# Altium PCB Main.PcbDoc (continued)
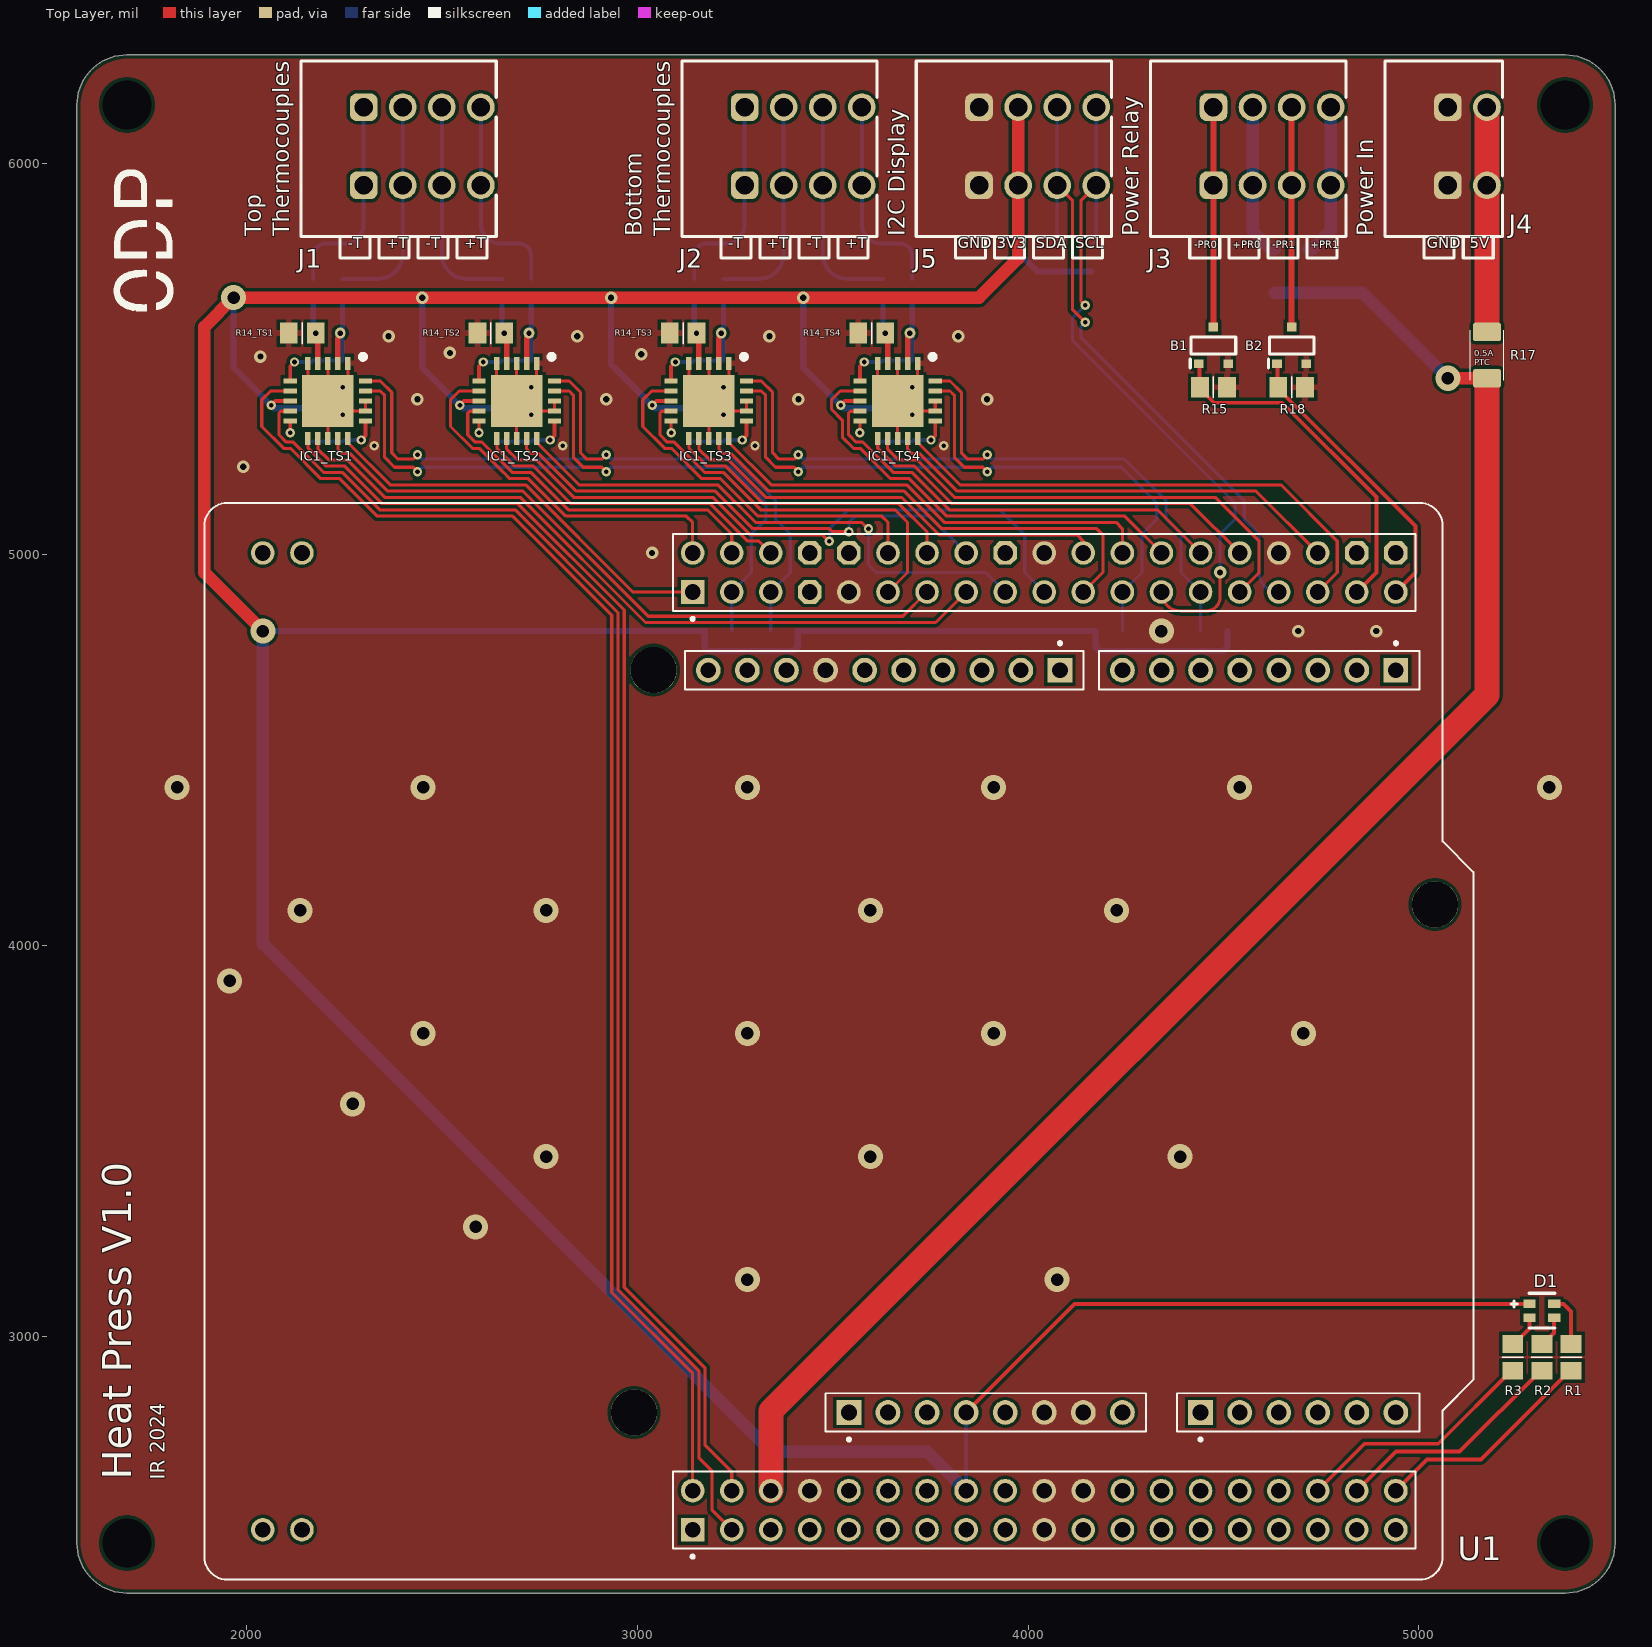
[diagram p0: Top Layer view]
## Footprints (in the part's own frame and the unit in brackets; to place one, negate y for a bottom-side part, rotate by r counter-clockwise, add the part's x,y. Pads: shape width x height; smd on the part's side, far side on the other; paste and mask are expansions set on the pad)
691403900002B [mm] "2,54mm - Spring clamp/Screwless - Vertical wire entry - 02p"
  rrect50% 1.8x1.8 hole 1.2: 1(0.27,-2.38) 1(0.27,2.7)
  round 1.8 hole 1.2: 2(2.81,-2.38) 2(2.81,2.7)
  silkscreen extent -3.81,-7.1 3.81,5.7, body extent -3.81,-7.1 3.81,5.7, height 13.65
691403900004B [mm] "2,54mm - Spring clamp/Screwless - Vertical wire entry - 04p"
  rrect50% 1.8x1.8 hole 1.2: 1(-2.27,-2.38) 1(-2.27,2.7)
  round 1.8 hole 1.2: 2(0.27,-2.38) 2(0.27,2.7) 3(2.81,-2.38) 3(2.81,2.7) 4(5.35,-2.38) 4(5.35,2.7)
  silkscreen extent -6.35,-7.1 6.35,5.7, body extent -6.35,-7.1 6.35,5.7, height 13.65
"CAP 0805_2012" [mm] "Chip Capacitor, 2-Leads, Body 2.00x1.20mm, IPC Medium Density"
  rect 1.4x1.35 smd: 1(-1,0) 2(1,0)
  silkscreen extent 0,-0.7 0,0.7, body extent -1,-0.64 1,0.64, height 1.26
FP-EAST1616RGBB4-MFG [mm]
  rect 0.8x0.55 smd paste+0 mask+0: 1(-0.8,-0.45) 2(-0.8,0.45) 3(0.8,0.45) 4(0.8,-0.45)
  silkscreen extent -0.86,-1.14 2,1.12, body extent -1.3,-0.95 1.3,0.95, height 0.25
QFN65P500X500X100-21N-D [mm]
  rect 0.85x0.35 smd: 1(-2.45,1.3) 2(-2.45,0.65) 3(-2.45,0) 4(-2.45,-0.65) 5(-2.45,-1.3) 11(2.45,-1.3) 12(2.45,-0.65) 13(2.45,0) 14(2.45,0.65) 15(2.45,1.3)
  rect 0.35x0.85 smd: 6(-1.3,-2.45) 7(-0.65,-2.45) 8(0,-2.45) 9(0.65,-2.45) 10(1.3,-2.45) 16(1.3,2.45) 17(0.65,2.45) 18(0,2.45) 19(-0.65,2.45) 20(-1.3,2.45)
  rect 3.35x3.35 smd: 21(0,0)
  silkscreen extent -3.04,2.11 -2.71,2.44, body extent -2.55,-2.55 2.55,2.55, height 1
"RES 0805_2012" [mm] "Chip Resistor, 2-Leads, Body 2.00x1.25mm, IPC Medium Density"
  rect 1.15x1.35 smd: 1(-0.875,0) 2(0.875,0)
  silkscreen extent 0,-0.67 0,0.67, body extent -1,-0.62 1,0.63, height 0.6
"RES 1206_3216" [mm] "Chip Resistor, 2-Leads, Body 3.13x1.55mm, IPC Medium Density"
  rect 1.2x1.65 smd: 1(-1.4,0) 2(1.4,0)
  silkscreen extent 0,-0.82 0,0.82, body extent -1.6,-0.8 1.6,0.8, height 0.8
RESC3216X125N [mm]
  rrect25% 1.2x1.82 smd: 1(-1.505,0) 2(1.505,0)
  silkscreen extent -1.63,-1.09 1.63,1.09, body extent -1.63,-0.82 1.63,0.82, height 0.85
SOTFL95P240X88-3N [mm]
  rect 0.575x0.62 smd: 1(-1.188,0.95) 2(-1.188,-0.95) 3(1.188,0)
  silkscreen extent -1.48,-1.45 0.55,1.51, body extent -1.2,-1.45 1.2,1.45, height 0.88
ST_NUCLEO-F401RE [mm]
  rect 1.605x1.605 hole 1.02: CN5_1(24.13,-14.37) CN6_1(-24.13,-0.65) CN8_1(-24.13,-23.51) CN9_1(24.13,-36.21)
  round 1.605 hole 1.02: CN5_2(24.13,-11.83) CN5_3(24.13,-9.29) CN5_4(24.13,-6.75) CN5_5(24.13,-4.21) CN5_6(24.13,-1.67) CN5_7(24.13,0.87) CN5_8(24.13,3.41) CN5_9(24.13,5.95) CN5_10(24.13,8.49) CN6_2(-24.13,-3.19) CN6_3(-24.13,-5.73) CN6_4(-24.13,-8.27) CN6_5(-24.13,-10.81) CN6_6(-24.13,-13.35) CN6_7(-24.13,-15.89) CN6_8(-24.13,-18.43) CN8_2(-24.13,-26.05) CN8_3(-24.13,-28.59) CN8_4(-24.13,-31.13) CN8_5(-24.13,-33.67) CN8_6(-24.13,-36.21) CN9_2(24.13,-33.67) CN9_3(24.13,-31.13) CN9_4(24.13,-28.59) CN9_5(24.13,-26.05) CN9_6(24.13,-23.51) CN9_7(24.13,-20.97) CN9_8(24.13,-18.43)
  rect 1.53x1.53 hole 1.02: CN7_1(-31.75,9.51) CN10_1(29.21,9.51)
  round 1.53 hole 1.02: CN7_2(-31.75,34.91) CN7_2(-31.75,37.45) CN7_2(-29.21,9.51) CN7_2(31.75,34.91) CN7_2(31.75,37.45) CN7_3(-31.75,6.97) CN7_4(-29.21,6.97) CN7_5(-31.75,4.43) CN7_6(-29.21,4.43) CN7_7(-31.75,1.89) CN7_8(-29.21,1.89) CN7_9(-31.75,-0.65) CN7_10(-29.21,-0.65) CN7_11(-31.75,-3.19) CN7_12(-29.21,-3.19) CN7_13(-31.75,-5.73) CN7_14(-29.21,-5.73) CN7_15(-31.75,-8.27) CN7_16(-29.21,-8.27) CN7_17(-31.75,-10.81) CN7_18(-29.21,-10.81) CN7_19(-31.75,-13.35) CN7_20(-29.21,-13.35) CN7_21(-31.75,-15.89) CN7_22(-29.21,-15.89) CN7_23(-31.75,-18.43) CN7_24(-29.21,-18.43) CN7_25(-31.75,-20.97) CN7_26(-29.21,-20.97) CN7_27(-31.75,-23.51) CN7_28(-29.21,-23.51) CN7_29(-31.75,-26.05) CN7_30(-29.21,-26.05) CN7_31(-31.75,-28.59) CN7_32(-29.21,-28.59) CN7_33(-31.75,-31.13) CN7_34(-29.21,-31.13) CN7_35(-31.75,-33.67) CN7_36(-29.21,-33.67) CN7_37(-31.75,-36.21) CN7_38(-29.21,-36.21) CN10_2(31.75,9.51) CN10_3(29.21,6.97) CN10_4(31.75,6.97) CN10_5(29.21,4.43) CN10_6(31.75,4.43) CN10_9(29.21,-0.65) CN10_11(29.21,-3.19) CN10_12(31.75,-3.19) CN10_13(29.21,-5.73) CN10_14(31.75,-5.73) CN10_15(29.21,-8.27) CN10_16(31.75,-8.27) CN10_17(29.21,-10.81) CN10_19(29.21,-13.35) CN10_20(31.75,-13.35) CN10_21(29.21,-15.89) CN10_22(31.75,-15.89) CN10_23(29.21,-18.43) CN10_24(31.75,-18.43) CN10_25(29.21,-20.97) CN10_26(31.75,-20.97) CN10_27(29.21,-23.51) CN10_28(31.75,-23.51) CN10_29(29.21,-26.05) CN10_30(31.75,-26.05) CN10_31(29.21,-28.59) CN10_32(31.75,-28.59) CN10_33(29.21,-31.13) CN10_34(31.75,-31.13) CN10_35(29.21,-33.67) CN10_37(29.21,-36.21)
  oct 1.53x1.53 hole 1.02: CN10_7(29.21,1.89) CN10_8(31.75,1.89) CN10_10(31.75,-0.65) CN10_18(31.75,-10.81) CN10_36(31.75,-33.67) CN10_38(31.75,-36.21)
  round 3 hole 3 unplated: ""(-24.13,13.32) ""(8.89,-38.75) ""(24.13,12.05)
  silkscreen extent -35,-41.25 35,41.25, body extent -35,-41.25 35,42.7, height 17.36

## Part data
B1 B2: library part CMP-752-000002-2, "Trans MOSFET N-CH Si 60V 0.65A Automotive 3-Pin SOT-23F T/R", Design Item ID=SSM3K357R,LF, Source=SSM3K357R,LF.SchLib
C1_TS1 C1_TS2 C1_TS3 C1_TS4 C2_TS1 C2_TS2 C2_TS3 C2_TS4: library part CMP-001-00134-5, "Ceramic Capacitor, Multilayer, Ceramic, 50V, 10% +Tol, 10% -Tol, X7R, 15% TC, 0.1uF, Surface Mount, 0805", Capacitor Type=Ceramic, Case/Package=0805, Max Operating Temperature=125°C, Min Operating Temperature=-55°C, Package Shape=Rectangular, Package Style=SMTMeter, Rated DC Voltage (URdc)=50V, Temperature Characteristics Code=X7R, Tolerance  (fill in as +-)=10%, Dielectric Material=Ceramic, Height=0.95mm, JESD-609 Code=e3, Length=2mm, Mounting Technology="Surface Mount", Multilayer=Yes, Packaging="Tape and Reel", Pins=2, Reach SVHC Compliant=Yes, RoHS Compliant=Yes, Terminal Finish=Nickel, Termination=Wraparound, Tolerance (fill in as +-)=10%, Width=1.25mm
D1: library part CMP-007-00050-1, "Triple Color LED", RoHS Compliant=Yes
IC1_TS1 IC1_TS2 IC1_TS3 IC1_TS4: library part CMP-031-00000-3, "Fully integrated thermocouple Electromotive Force (EMF) to degrees Celsius converter IC with integrated thermocouple open-circuit and short-circuit detection and cold-junction compensation", Manufacturer_Name=Microchip, Mouser Part Number=579-MCP96RL01T-E/MX, altium.hash=88D551B438FC0B2CC4B3D3B3F597121D, Datasheet Link=http://ww1.microchip.com/downloads/en/DeviceDoc/MCP960X-L0X-RL0X-Data-Sheet-20005426F.pdf, Design Item ID=MCP96RL01T-E_MX, Height=1mm, Manufacturer_Part_Number=MCP96RL01T-E/MX, Mouser Price/Stock=https://www.mouser.com/Search/Refine.aspx?Keyword=579-MCP96RL01T-E%2FMX, Source=SamacSys.SchLib
J1 J2 J3 J5: library part CMP-752-000001-2, "Barrier Strip Terminal Block", Manufacturer Series=4039B, Design Item ID=CMP-002-00140-1, Reach SVHC Compliant=Yes, RoHS Compliant=Yes, Source=HeatPress.SCHLIB, Terminal and Terminal Block Type="BARRIER STRIP TERMINAL BLOCK"
J4: library part CMP-752-000000-2, "Barrier Strip Terminal Block", Manufacturer Series=4039B, Design Item ID=CMP-002-00139-1, Reach SVHC Compliant=Yes, RoHS Compliant=Yes, Source=HeatPress.SCHLIB, Terminal and Terminal Block Type="BARRIER STRIP TERMINAL BLOCK"
R1: library part CMP-009-00014-1, "Fixed Resistor, Metal Glaze/thick Film, 0.125W, 300ohm, 150V, 1% +/-Tol, 100ppm/Cel, Surface Mount, 0805", Case/Package=0805, Max Operating Temperature=155°C, Min Operating Temperature=-55°C, Package Height=0.6mm, Package Length=2mm, Package Shape=Rectangular, Package Style=SMTMeter, Package Width=1.25mm, Power=125mW, Rated Temperature=70°C, Resistor Type="FIXED RESISTOR", Temperature Coefficient=100ppm/°C, Tolerance=1%, Working Voltage=150V, Construction=Rectangular, JESD-609 Code=e3, Mounting Technology="Surface Mount", Packaging="Tape and Reel", Pins=2, Reach SVHC Compliant=Yes, Reference Standard=AEC-Q200, RoHS Compliant=Yes, Technology="METAL GLAZE/THICK FILM", Terminal Finish=Nickel, Termination=Wraparound
R2 R3 R12_TS1 R12_TS2 R12_TS3 R12_TS4 R13_TS1 R13_TS2 R13_TS3 R13_TS4: library part CMP-009-00015-2, "Fixed Resistor, Metal Glaze/thick Film, 0.125W, 100ohm, 150V, 1% +/-Tol, 200ppm/Cel, Surface Mount, 0805", Case/Package=0805, Manufacturer="TE Connectivity", Manufacturer Series=CRG, Max Operating Temperature=125°C, Min Operating Temperature=-55°C, Package Shape=Rectangular, Power=125mW, Rated Temperature=70°C, Resistor Type="FIXED RESISTOR", Temperature Coefficient=200ppm/°C, Tolerance=1%, Working Voltage=150V, Additional Feature="LASER TRIMMABLE", Availability=Unavailable, Component Type=Resistors, Design Item ID=CRG0805F100R, JESD-609 Code=e3, Manufacturer Part Number=CRG0805F100R, MF="{'manufacturer': u'TE Connectivity'}", Mounting Technology="Surface Mount", MP=CRG0805F100R, Packaging="Tape and Reel", Pins=2, Price=None, RoHS Compliant=Yes, Source=CRG0805F100R.SchLib, Technology="METAL GLAZE/THICK FILM", Terminal Finish=Tin, Termination=Wraparound
R4 R5 R6 R7 R8 R9: library part CMP-009-00018-1, "Fixed Resistor, Metal Glaze/thick Film, 0.125W, 4990ohm, 150V, 1% +/-Tol, 100ppm/Cel, Surface Mount, 0805", Case/Package=0805, Max Operating Temperature=155°C, Min Operating Temperature=-55°C, Package Height=0.6mm, Package Length=2mm, Package Shape=Rectangular, Package Style=SMTMeter, Package Width=1.25mm, Power=125mW, Rated Temperature=70°C, Resistor Type="FIXED RESISTOR", Temperature Coefficient=100ppm/°C, Tolerance=1%, Working Voltage=150V, Construction=Rectangular, JESD-609 Code=e3, Mounting Technology="Surface Mount", Packaging="Tape and Reel", Pins=2, Reach SVHC Compliant=Yes, Reference Standard=AEC-Q200, RoHS Compliant=Yes, Technology="METAL GLAZE/THICK FILM", Terminal Finish=Nickel, Termination=Wraparound
R10_TS1 R10_TS2 R10_TS3 R10_TS4: library part CMP-009-00019-1, "Fixed Resistor, Metal Glaze/thick Film, 0.125W, 2490000ohm, 150V, 1% +/-Tol, 100ppm/Cel, Surface Mount, 0805", Case/Package=0805, Max Operating Temperature=155°C, Min Operating Temperature=-55°C, Package Height=0.45mm, Package Length=2mm, Package Shape=Rectangular, Package Style=SMTMeter, Package Width=1.25mm, Power=125mW, Rated Temperature=70°C, Resistor Type="FIXED RESISTOR", Temperature Coefficient=100ppm/°C, Tolerance=1%, Working Voltage=150V, Construction=Chip, JESD-609 Code=e3, Mounting Technology="Surface Mount", Packaging="Tape and Reel", Pins=2, Reach SVHC Compliant=Yes, Reference Standard=AEC-Q200, RoHS Compliant=Yes, Technology="METAL GLAZE/THICK FILM", Terminal Finish=Nickel, Termination=Wraparound
R11_TS1 R11_TS2 R11_TS3 R11_TS4: library part CMP-009-00017-3, "Fixed Resistor, Metal Glaze/thick Film, 0.125W, 2000000ohm, 150V, 1% +/-Tol, 100ppm/Cel, Surface Mount, 0805", Case/Package=0805, Device Package="0805 (2012 Metric)", Manufacturer="Vishay Dale", Max Operating Temperature=155°C, Min Operating Temperature=-55°C, Operating Temperature="-55°C ~ 155°C", Package Height=0.5mm, Package Length=2mm, Package Style=SMTMeter, Package Width=1.25mm, Power=125mW, Power (Watts)="0.125W, 1/8W", Resistor Type="FIXED RESISTOR", Temperature Coefficient=-100100ppm/°C, Tolerance=1%, Working Voltage=150V, Component Type=Resistors, ComponentLink1Description=Datasheet, ComponentLink1URL=http://www.vishay.com/docs/28773/crcwce3.pdf, ComponentLink2Description="DigiKey Link", ComponentLink2URL=https://www.digikey.com/en/products/detail/vishay-dale/CRCW08052M00FKECC/7928551, Composition="Thick Film", Construction=Chip, Design Item ID=CMP-309-001138-4, Height - Seated (Max)="0.024\" (0.60mm)", JESD-609 Code=e3, LastUpdated="9/18/2022 12:42:15 PM", Lifecycle Status=Active, Manufacturer Part Number=CRCW08052M00FKECC, Minimum Order=1, Number of Terminations=2, Package / Case="0805 (2012 Metric)", Packaging="Tape and Reel", Part Number=CRCW08052M00FKECC, Part Status=Active, PartId=30004, Pins=2, Price=0.01, Reach SVHC Compliant=Yes, RoHS Compliant=Yes, Series=CRCW-C, Size / Dimension="0.079\" L x 0.049\" W (2.00mm x 1.25mm)", Source=HeatPress.SCHLIB, Supplier Device Package=0805, Technology="METAL GLAZE/THICK FILM", Terminal Finish=Nickel
R14_TS1 R14_TS2 R14_TS3 R14_TS4: library part CMP-009-00021-1, "Fixed Resistor, Metal Glaze/thick Film, 0.125W, 487000ohm, 150V, 1% +/-Tol, 100ppm/Cel, Surface Mount, 0805", Case/Package=0805, Max Operating Temperature=155°C, Min Operating Temperature=-55°C, Package Height=0.6mm, Package Length=2mm, Package Shape=Rectangular, Package Style=SMTMeter, Package Width=1.25mm, Power=125mW, Rated Temperature=70°C, Resistor Type="FIXED RESISTOR", Temperature Coefficient=100ppm/°C, Tolerance=1%, Working Voltage=150V, Construction=Rectangular, JESD-609 Code=e3, Mounting Technology="Surface Mount", Packaging="Tape and Reel", Pins=2, Reach SVHC Compliant=Yes, Reference Standard=AEC-Q200, RoHS Compliant=Yes, Technology="METAL GLAZE/THICK FILM", Terminal Finish=Nickel, Termination=Wraparound
R15 R18 RB1_TS1 RB1_TS2 RB1_TS3 RB1_TS4: library part CMP-009-00022-1, "Fixed Resistor, Metal Glaze/thick Film, 0.125W, 10000ohm, 150V, 1% +/-Tol, 100ppm/Cel, Surface Mount, 0805", Case/Package=0805, Max Operating Temperature=155°C, Min Operating Temperature=-55°C, Package Height=0.5mm, Package Length=2mm, Package Style=SMTMeter, Package Width=1.25mm, Power=125mW, Resistor Type="FIXED RESISTOR", Temperature Coefficient=-100100ppm/°C, Tolerance=1%, Working Voltage=150V, Construction=Chip, JESD-609 Code=e3, Packaging="Tape and Reel", Pins=2, Reach SVHC Compliant=Yes, RoHS Compliant=Yes, Technology="METAL GLAZE/THICK FILM", Terminal Finish=Nickel
R16 R19: library part CMP-009-00023-1, "Res Thin Film 1206 200 Ohm 0.1% 1/4W ±25ppm/°C Molded SMD SMD Punched Carrier T/R", Case/Package=1206, Max Operating Temperature=155°C, Min Operating Temperature=-55°C, Package Height=0.6mm, Package Length=3.2mm, Package Style=SMTMeter, Package Width=1.6mm, Power=250mW, Rated Temperature=85°C, Resistor Type="FIXED RESISTOR", Temperature Coefficient=25ppm/°C, Tolerance=0.1%, Working Voltage=150V, Construction=Rectangular, JESD-609 Code=e3, Mounting Technology="Surface Mount", Packaging="Tape and Reel", Pins=2, Reach SVHC Compliant=Yes, Reference Standard=AEC-Q200, RoHS Compliant=Yes, Technology="THIN FILM", Terminal Finish=Nickel, Termination=Wraparound
R17: library part CMP-009-00016-3, "PTC Resettable Fuse, 24V, 0.15ohm, Surface Mount", Case/Package=None, Current Rating=500mA, Max Operating Temperature=85°C, Min Operating Temperature=-40°C, Package Height=1.2mm, Package Length=3.5mm, Package Width=1.8mm, Resistor Type="PTC THERMISTOR", Working Voltage=24V, Availability=Unavailable, Design Item ID=0ZCJ0050AF2E, JESD-609 Code=e3, MF="{'manufacturer': u'Bel Fuse'}", MP=0ZCJ0050AF2E, Price=None, Reach SVHC Compliant=Yes, Reference Standard=UL, RoHS Compliant=Yes, Source=0ZCJ0050AF2E.SchLib, Terminal Finish=Tin
RA1_TS1 RA1_TS2 RA1_TS3 RA1_TS4: library part CMP-009-00025-2, "Fixed Resistor, Metal Glaze/thick Film, 0.125W, 2200ohm, 150V, 1% +/-Tol, 100ppm/Cel, Surface Mount, 0805", Case/Package=0805, Max Operating Temperature=155°C, Min Operating Temperature=-55°C, Package Height=0.5mm, Package Length=2mm, Package Shape=Rectangular, Package Style=SMTMeter, Package Width=1.25mm, Power=125mW, Rated Temperature=70°C, Resistor Type="FIXED RESISTOR", Temperature Coefficient=-100100ppm/°C, Tolerance=1%, Working Voltage=150V, Construction=Chip, JESD-609 Code=e3, Mounting Technology="Surface Mount", Packaging="Tape and Reel", Pins=2, Reach SVHC Compliant=Yes, Reference Standard=AEC-Q200, RoHS Compliant=Yes, Technology="METAL GLAZE/THICK FILM", Terminal Finish=Nickel, Termination=Wraparound
U1: library part CMP-752-000003-2, "STM32F401RE Embedded Nucleo STM32F4 MCU 32-Bit ARM Cortex-M3 Evaluation Board", Design Item ID=NUCLEO-F401RE, MF=STMicroelectronics, MP=NUCLEO-F401RE, Source=NUCLEO-F401RE.SchLib

## Free pads (board coordinates)
  round 0 hole 125.98 unplated: 14(1693.62,2470.12) 14(1693.62,6151.13) 14(5374.63,2470.12) 14(5374.63,6151.13)

## Via types
v1: diameter 24, hole 12, Top Layer to Bottom Layer, 41 vias
v2: diameter 64, hole 32, Top Layer to Bottom Layer, 26 vias
v3: diameter 32, hole 16, Top Layer to Bottom Layer, 19 vias
v4: diameter 27.56, hole 13.78, Top Layer to Bottom Layer, 8 vias

## Nets (pads, with @x,y where several pads share a name; then routed paths per layer and width w, separated by ;. In a path a pad name is that pad's centre, name@x,y a point inside that pad or via, vN(x,y) a via of type N, cw(c..) or ccw(c..) an arc to the next point about the centre after c; other vN are vias at no path point)
+3V3: C2_TS1.1 C2_TS2.1 C2_TS3.1 C2_TS4.1 D1.4 IC1_TS1.8 IC1_TS2.8 IC1_TS3.8 IC1_TS4.8 J5.2 R4.1 R5.1 R6.1 R7.1 R8.1 R9.1 R11_TS1.2 R11_TS2.2 R11_TS3.2 R11_TS4.2 RB1_TS1.1 RB1_TS2.1 RB1_TS3.1 RB1_TS4.1 U1.CN6_4 U1.CN7_16 | length 13694.4
  Top Layer w10: v1(2062.91,5382.36) 2073.8,5393.25 IC1_TS1.8 ; v1(2545.98,5382.36) 2556.87,5393.25 IC1_TS2.8 ; v1(3037.91,5382.36) 3048.8,5393.25 IC1_TS3.8 ; v1(3520.98,5382.36) 3531.87,5393.25 IC1_TS4.8 ; U1.CN6_4 4119.46,3082.3 D1.4
  Top Layer w32: v2(2041.58,4804.42) 1891.97,4954.03 1891.97,5583.03 v2(1966.56,5657.62) 2019.97,5657.62 ; 2166.56,5657.62 2019.97,5657.62 ; J5.2@3974.63,6145.26 3974.63,5945.26 3974.63,5757.62 3874.63,5657.62 v3(3424.63,5657.62) v3(2932.7,5657.62) v3(2449.63,5657.62) 2019.97,5657.62
  Bottom Layer w10: U1.CN7_16 U1.CN6_4
  Bottom Layer w16: v2(1966.56,5657.62) 1966.56,5478.71 2043.35,5401.92 2043.35,5399.95 2060.94,5382.36 v1(2062.91,5382.36) 2070.72,5374.55 2160.04,5374.55 2170.38,5364.21 R11_TS1.2 ; v2(2041.58,4804.42) R9.1 3172.68,4763.01 3182.06,4753.63 3401.11,4753.63 3410.48,4763.01 R8.1 R7.1 4172.68,4763.01 4182.06,4753.63 4501.11,4753.63 4510.48,4763.01 R6.1 ; v3(2449.63,5657.62) 2449.63,5478.71 2526.42,5401.92 2526.42,5399.95 2544.01,5382.36 v1(2545.98,5382.36) 2553.79,5374.55 2643.11,5374.55 2653.45,5364.21 R11_TS2.2 ; v3(2932.7,5657.62) 2932.7,5487.56 3018.35,5401.92 3018.35,5399.95 3035.94,5382.36 v1(3037.91,5382.36) 3045.72,5374.55 3135.04,5374.55 3145.38,5364.21 R11_TS3.2 ; v3(3424.63,5657.62) 3424.63,5478.71 3501.42,5401.92 3501.42,5399.95 3519.01,5382.36 v1(3520.98,5382.36) 3528.79,5374.55 3618.11,5374.55 3628.45,5364.21 R11_TS4.2 ; J5.2@3974.63,5945.26 3974.63,5773.55 4023.2,5724.99 R4.1 R5.1
  Bottom Layer w32: v2(2041.58,4804.42) 2041.58,4004.42 3341.58,2704.42 3741.58,2704.42 U1.CN7_16
+5: R16.1 R17.1 R19.1 U1.CN7_6 | length 4216.9
  Top Layer w32: v2(5074.81,5451.49) R17.1
  Top Layer w64: U1.CN7_6 3341.58,2808.01 5174.63,4641.06 5174.63,5427.87
  Bottom Layer w32: R19.1 R16.1 4855.44,5670.85 v2(5074.81,5451.49)
+5V_UF: J4.2 R17.2 | length 551.6
  Top Layer w64: 5174.63,5593.62 5174.63,5945.26 J4.2@5174.63,6145.26
+PR0: J3.2 R19.2 | length 392.8
  Bottom Layer w32: J3.2@4574.63,6145.26 4574.63,5945.26 4574.63,5828.93 4622.47,5781.09 R19.2
+PR1: J3.4 R16.2 | length 392.8
  Bottom Layer w32: R16.2 4726.8,5781.09 4774.63,5828.93 4774.63,5945.26 J3.4@4774.63,6145.26
+T_1: J1.2 R12_TS1.1 | length 566.3
  Bottom Layer w10: R12_TS1.1 2336.07,5705.82 ccw(c2336.07,5769.38) 2399.63,5769.38 2399.63,5945.26 J1.2@2399.63,6145.26
+T_2: J1.4 R12_TS2.1 | length 533.4
  Bottom Layer w10: J1.4@2599.63,6145.26 2599.63,5945.26 2599.63,5845.83 ccw(c2649.06,5845.83) 2649.06,5796.4 2696.57,5796.4 cw(c2696.57,5764.4) 2728.57,5764.4 R12_TS2.1
+T_3: J2.2 R12_TS3.1 | length 566.3
  Bottom Layer w10: R12_TS3.1 3311.07,5705.82 ccw(c3311.07,5769.38) 3374.63,5769.38 3374.63,5945.26 J2.2@3374.63,6145.26
+T_4: J2.4 R12_TS4.1 | length 533.4
  Bottom Layer w10: J2.4@3574.63,6145.26 3574.63,5945.26 3574.63,5845.83 ccw(c3624.06,5845.83) 3624.06,5796.4 3671.57,5796.4 cw(c3671.57,5764.4) 3703.57,5764.4 R12_TS4.1
+VIN_POST_TS1: C1_TS1.2 IC1_TS1.2 IC1_TS1.6 R10_TS1.2 R11_TS1.1 R12_TS1.2 | length 401
  Top Layer w10: IC1_TS1.6 2111.64,5482.27 v1(2122.53,5493.16)
  Top Layer w13.78: IC1_TS1.2 2233.69,5552.79 cw(c2253.85,5552.79) v4(2239.59,5567.04)
  Bottom Layer w10: v1(2122.53,5493.16) 2166.38,5493.16 R11_TS1.1 R10_TS1.2 2245.81,5560.82 v4(2239.59,5567.04)
  Bottom Layer w13.78: v4(2239.59,5567.04) ccw(c2225.33,5581.3) 2245.5,5581.3 R12_TS1.2
+VIN_POST_TS2: C1_TS2.2 IC1_TS2.2 IC1_TS2.6 R10_TS2.2 R11_TS2.1 R12_TS2.2 | length 401
  Top Layer w10: IC1_TS2.6 2594.71,5482.27 v1(2605.6,5493.16)
  Top Layer w13.78: IC1_TS2.2 2716.76,5552.79 cw(c2736.92,5552.79) v4(2722.66,5567.04)
  Bottom Layer w10: v1(2605.6,5493.16) 2649.45,5493.16 R11_TS2.1 R10_TS2.2 2728.88,5560.82 v4(2722.66,5567.04)
  Bottom Layer w13.78: v4(2722.66,5567.04) ccw(c2708.41,5581.3) 2728.57,5581.3 R12_TS2.2
+VIN_POST_TS3: C1_TS3.2 IC1_TS3.2 IC1_TS3.6 R10_TS3.2 R11_TS3.1 R12_TS3.2 | length 401
  Top Layer w10: IC1_TS3.6 3086.64,5482.27 v1(3097.53,5493.16)
  Top Layer w13.78: IC1_TS3.2 3208.69,5552.79 cw(c3228.85,5552.79) v4(3214.59,5567.04)
  Bottom Layer w10: v1(3097.53,5493.16) 3141.38,5493.16 R11_TS3.1 R10_TS3.2 3220.81,5560.82 v4(3214.59,5567.04)
  Bottom Layer w13.78: v4(3214.59,5567.04) ccw(c3200.33,5581.3) 3220.5,5581.3 R12_TS3.2
+VIN_POST_TS4: C1_TS4.2 IC1_TS4.2 IC1_TS4.6 R10_TS4.2 R11_TS4.1 R12_TS4.2 | length 401
  Top Layer w10: IC1_TS4.6 3569.71,5482.27 v1(3580.6,5493.16)
  Top Layer w13.78: IC1_TS4.2 3691.76,5552.79 cw(c3711.92,5552.79) v4(3697.66,5567.04)
  Bottom Layer w10: v1(3580.6,5493.16) 3624.45,5493.16 R11_TS4.1 R10_TS4.2 3703.88,5560.82 v4(3697.66,5567.04)
  Bottom Layer w13.78: v4(3697.66,5567.04) ccw(c3683.41,5581.3) 3703.57,5581.3 R12_TS4.2
-PR0: B1.3 J3.1 | length 563
  Top Layer w16: B1.3 4474.63,5945.26 J3.1@4474.63,6145.26
-PR1: B2.3 J3.3 | length 563
  Top Layer w16: B2.3 4674.63,5945.26 J3.3@4674.63,6145.26
-T_1: J1.1 R13_TS1.1 | length 533.4
  Bottom Layer w10: R13_TS1.1 2170.69,5764.4 cw(c2202.69,5764.4) 2202.69,5796.4 2250.2,5796.4 ccw(c2250.2,5845.83) 2299.63,5845.83 2299.63,5945.26 J1.1@2299.63,6145.26
-T_2: J1.3 R13_TS2.1 | length 566.3
  Bottom Layer w10: J1.3@2499.63,6145.26 2499.63,5945.26 2499.63,5769.38 ccw(c2563.19,5769.38) 2563.19,5705.82 R13_TS2.1
-T_3: J2.1 R13_TS3.1 | length 533.4
  Bottom Layer w10: R13_TS3.1 3145.69,5764.4 cw(c3177.69,5764.4) 3177.69,5796.4 3225.2,5796.4 ccw(c3225.2,5845.83) 3274.63,5845.83 3274.63,5945.26 J2.1@3274.63,6145.26
-T_4: J2.3 R13_TS4.1 | length 566.3
  Bottom Layer w10: J2.3@3474.63,6145.26 3474.63,5945.26 3474.63,5769.38 ccw(c3538.19,5769.38) 3538.19,5705.82 R13_TS4.1
-VIN_POST_TS1: C1_TS1.1 IC1_TS1.4 R13_TS1.2 R14_TS1.2 | length 150.4
  Top Layer w13.78: v4(2176.6,5567.04) cw(c2162.34,5552.79) 2182.51,5552.79 IC1_TS1.4
  Bottom Layer w13.78: R13_TS1.2 2170.69,5581.3 ccw(c2190.86,5581.3) v4(2176.6,5567.04)
-VIN_POST_TS2: C1_TS2.1 IC1_TS2.4 R13_TS2.2 R14_TS2.2 | length 150.4
  Top Layer w13.78: v4(2659.67,5567.04) cw(c2645.41,5552.79) 2665.58,5552.79 IC1_TS2.4
  Bottom Layer w13.78: R13_TS2.2 2653.77,5581.3 ccw(c2673.93,5581.3) v4(2659.67,5567.04)
-VIN_POST_TS3: C1_TS3.1 IC1_TS3.4 R13_TS3.2 R14_TS3.2 | length 150.4
  Top Layer w13.78: v4(3151.6,5567.04) cw(c3137.34,5552.79) 3157.51,5552.79 IC1_TS3.4
  Bottom Layer w13.78: R13_TS3.2 3145.69,5581.3 ccw(c3165.86,5581.3) v4(3151.6,5567.04)
-VIN_POST_TS4: C1_TS4.1 IC1_TS4.4 R13_TS4.2 R14_TS4.2 | length 150.4
  Top Layer w13.78: v4(3634.67,5567.04) cw(c3620.41,5552.79) 3640.58,5552.79 IC1_TS4.4
  Bottom Layer w13.78: R13_TS4.2 3628.77,5581.3 ccw(c3648.93,5581.3) v4(3634.67,5567.04)
ADDR_TS1: IC1_TS1.16 RA1_TS1.2 RB1_TS1.2 | length 178.2
  Top Layer w10: v1(2293.66,5293.34) 2304.55,5304.23 IC1_TS1.16
  Bottom Layer w10: RB1_TS1.2 RA1_TS1.2 2249.81,5293.34 v1(2293.66,5293.34)
ADDR_TS2: IC1_TS2.16 RA1_TS2.2 RB1_TS2.2 | length 178.2
  Top Layer w10: v1(2776.74,5293.34) 2787.62,5304.23 IC1_TS2.16
  Bottom Layer w10: RB1_TS2.2 RA1_TS2.2 2732.89,5293.34 v1(2776.74,5293.34)
ADDR_TS3: IC1_TS3.16 RA1_TS3.2 RB1_TS3.2 | length 178.2
  Top Layer w10: v1(3268.66,5293.34) 3279.55,5304.23 IC1_TS3.16
  Bottom Layer w10: RB1_TS3.2 RA1_TS3.2 3224.81,5293.34 v1(3268.66,5293.34)
ADDR_TS4: IC1_TS4.16 RA1_TS4.2 RB1_TS4.2 | length 178.2
  Top Layer w10: v1(3751.73,5293.34) 3762.62,5304.23 IC1_TS4.16
  Bottom Layer w10: RB1_TS4.2 RA1_TS4.2 3707.88,5293.34 v1(3751.73,5293.34)
"ALERT 1.ALERT 1": IC1_TS1.11 U1.CN7_4 | length 3372.8
  Top Layer w8: IC1_TS1.11 2157.35,5296.36 2157.35,5272.75 2203.56,5226.54 2251.21,5226.54 2347.21,5130.54 2694.21,5130.54 2966.48,4858.27 2966.48,3124.78 3173.58,2917.68 3173.58,2720.32 3241.58,2652.32 U1.CN7_4
"ALERT 1.ALERT 2": IC1_TS1.12 U1.CN10_15 | length 1901.9
  Top Layer w8: IC1_TS1.12 2182.51,5270.22 2210.18,5242.54 2257.83,5242.54 2353.83,5146.54 2700.83,5146.54 3021.07,4826.3 3763.46,4826.3 U1.CN10_15
"ALERT 1.ALERT 3": IC1_TS1.14 U1.CN10_13 | length 1737.4
  Top Layer w8: IC1_TS1.14 2233.69,5270.22 2245.36,5258.54 2265.06,5258.54 2361.06,5162.54 2707.46,5162.54 3027.7,4842.3 3679.46,4842.3 U1.CN10_13
"ALERT 1.ALERT 4": IC1_TS1.15 U1.CN10_1 | length 1050.6
  Top Layer w8: IC1_TS1.15 2259.28,5286.95 2367.69,5178.54 2714.09,5178.54 2988.21,4904.42 U1.CN10_1
"ALERT 1.ALERT OC": IC1_TS1.9 U1.CN7_3 | length 3610.4
  Top Layer w8: IC1_TS1.9 2111.09,5367.11 2087.59,5367.11 2082.91,5362.43 2082.91,5306.76 2101.7,5287.97 2119.5,5287.97 2196.93,5210.54 2244.58,5210.54 2340.58,5114.54 2687.58,5114.54 2950.48,4851.64 2950.48,3118.15 3157.58,2911.05 3157.58,2688.42 3191.58,2654.42 3191.58,2554.42 U1.CN7_3
"ALERT 1.ALERT SC": IC1_TS1.7 U1.CN7_2@3141.58,2604.42 | length 3572.2
  Top Layer w8: IC1_TS1.7 2061.55,5418.84 2038.91,5396.2 2038.91,5328.14 2095.07,5271.97 2112.5,5271.97 2189.93,5194.54 2237.95,5194.54 2333.95,5098.54 2680.95,5098.54 2934.48,4845.01 2934.48,3111.53 3141.58,2904.42 U1.CN7_2@3141.58,2604.42
"ALERT 2.ALERT 1": IC1_TS2.11 U1.CN10_6 | length 836.5
  Top Layer w8: IC1_TS2.11 2640.42,5296.36 2640.42,5272.75 2686.63,5226.54 2734.28,5226.54 2830.28,5130.54 3186.44,5130.54 3282.44,5034.54 3311.46,5034.54 U1.CN10_6
"ALERT 2.ALERT 2": IC1_TS2.12 U1.CN10_19 | length 1695.4
  Top Layer w8: IC1_TS2.12 2665.58,5270.22 2693.25,5242.54 2740.91,5242.54 2836.91,5146.54 3193.07,5146.54 3289.07,5050.54 3473.64,5050.54 3489.64,5034.54 v1(3491.58,5034.54)
  Bottom Layer w8: v1(3491.58,5034.54) 3491.58,5066.54 3539.58,5114.54 3927.58,5114.54 3991.58,5050.54 3991.58,4954.42 U1.CN10_19
"ALERT 2.ALERT 3": IC1_TS2.14 U1.CN10_16 | length 1308.7
  Top Layer w8: IC1_TS2.14 2716.76,5270.22 2728.44,5258.54 2748.13,5258.54 2844.13,5162.54 3199.7,5162.54 3295.7,5066.54 3491.58,5066.54 3499.58,5058.54 v1(3541.58,5058.54)
  Bottom Layer w8: v1(3541.58,5058.54) 3541.58,5082.54 3557.58,5098.54 3747.46,5098.54 U1.CN10_16
"ALERT 2.ALERT 4": IC1_TS2.15 U1.CN10_17 | length 1421.6
  Top Layer w8: IC1_TS2.15 2742.35,5286.95 2850.76,5178.54 3206.32,5178.54 3302.32,5082.54 3573.64,5082.54 3589.64,5066.54 v1(3591.58,5066.54)
  Bottom Layer w8: v1(3591.58,5066.54) 3591.58,4974.3 3611.46,4954.42 3891.58,4954.42 U1.CN10_17
"ALERT 2.ALERT OC": IC1_TS2.9 U1.CN10_4 | length 915.7
  Top Layer w8: IC1_TS2.9 2594.16,5367.11 2570.67,5367.11 2565.98,5362.43 2565.98,5306.76 2584.77,5287.97 2602.57,5287.97 2680,5210.54 2727.65,5210.54 2823.65,5114.54 3179.81,5114.54 3241.58,5052.77 U1.CN10_4
"ALERT 2.ALERT SC": IC1_TS2.7 U1.CN10_2 | length 949.6
  Top Layer w8: IC1_TS2.7 2544.62,5418.84 2521.98,5396.2 2521.98,5328.14 2578.14,5271.97 2595.57,5271.97 2657,5210.54 2657.37,5210.54 2673.37,5194.54 2721.02,5194.54 2817.02,5098.54 3125.58,5098.54 3141.58,5082.54 U1.CN10_2
"ALERT 3.ALERT 1": IC1_TS3.11 U1.CN10_14 | length 776.2
  Top Layer w8: IC1_TS3.11 3132.35,5296.36 3132.35,5272.75 3178.56,5226.54 3226.21,5226.54 3322.21,5130.54 3669.46,5130.54 3741.58,5058.42 U1.CN10_14
"ALERT 3.ALERT 2": IC1_TS3.12 U1.CN10_22 | length 1138.4
  Top Layer w8: IC1_TS3.12 3157.51,5270.22 3185.18,5242.54 3232.83,5242.54 3328.83,5146.54 3676.14,5146.54 3772.14,5050.54 4125.58,5050.54 4141.58,5034.54 U1.CN10_22
"ALERT 3.ALERT 3": IC1_TS3.14 U1.CN10_21 | length 1267.3
  Top Layer w8: IC1_TS3.14 3208.69,5270.22 3220.36,5258.54 3240.06,5258.54 3336.06,5162.54 3682.77,5162.54 3778.77,5066.54 4175.58,5066.54 4191.58,5050.54 4191.58,4954.42 U1.CN10_21
"ALERT 3.ALERT 4": IC1_TS3.15 U1.CN10_24 | length 1180.4
  Top Layer w8: U1.CN10_24 4241.58,5066.54 4225.58,5082.54 3785.4,5082.54 3689.4,5178.54 3342.69,5178.54 IC1_TS3.15@3234.28,5286.95 ; IC1_TS3.15@3234.28,5286.95 IC1_TS3.15 IC1_TS3.15@3234.28,5286.95
"ALERT 3.ALERT OC": IC1_TS3.9 U1.CN10_11 | length 1011.9
  Top Layer w8: IC1_TS3.9 3086.09,5367.11 3062.59,5367.11 3057.91,5362.43 3057.91,5306.76 3076.7,5287.97 3094.5,5287.97 3171.93,5210.54 3219.58,5210.54 3315.58,5114.54 3659.58,5114.54 3691.58,5082.54 3691.58,4954.42 U1.CN10_11
"ALERT 3.ALERT SC": IC1_TS3.7 U1.CN10_12 | length 957.7
  Top Layer w8: IC1_TS3.7 3036.55,5418.84 3013.91,5396.2 3013.91,5328.14 3070.07,5271.97 3087.5,5271.97 3164.93,5194.54 3212.95,5194.54 3308.95,5098.54 3625.58,5098.54 3641.58,5082.54 U1.CN10_12
"ALERT 4.ALERT 1": IC1_TS4.11 U1.CN10_30 | length 1061.5
  Top Layer w8: IC1_TS4.11 3615.42,5296.36 3615.42,5272.75 3661.63,5226.54 3709.28,5226.54 3805.28,5130.54 4415.46,5130.54 U1.CN10_30
"ALERT 4.ALERT 2": IC1_TS4.12 U1.CN10_29 | length 1226
  Top Layer w8: IC1_TS4.12 3640.58,5270.22 3668.25,5242.54 3715.9,5242.54 3811.9,5146.54 4479.58,5146.54 4591.58,5034.54 4591.58,4954.42 U1.CN10_29
"ALERT 4.ALERT 3": IC1_TS4.14 U1.CN10_34 | length 1186.5
  Top Layer w8: IC1_TS4.14 3691.76,5270.22 3703.44,5258.54 3723.13,5258.54 3819.13,5162.54 4583.46,5162.54 U1.CN10_34
"ALERT 4.ALERT 4": IC1_TS4.15 U1.CN10_33 | length 1339.5
  Top Layer w8: IC1_TS4.15 3717.35,5286.95 3825.76,5178.54 4647.58,5178.54 4791.58,5034.54 4791.58,4954.42 U1.CN10_33
"ALERT 4.ALERT OC": IC1_TS4.9 U1.CN10_28 | length 1112.4
  Top Layer w8: IC1_TS4.9 3569.16,5367.11 3545.66,5367.11 3540.98,5362.43 3540.98,5306.76 3559.77,5287.97 3577.57,5287.97 3655,5210.54 3702.65,5210.54 3798.65,5114.54 4331.46,5114.54 U1.CN10_28
"ALERT 4.ALERT SC": IC1_TS4.7 U1.CN10_26 | length 1128.9
  Top Layer w8: IC1_TS4.7 3519.62,5418.84 3496.98,5396.2 3496.98,5372.42 3524.98,5344.42 3524.98,5300.14 3553.14,5271.97 3570.57,5271.97 3648,5194.54 3696.02,5194.54 3792.02,5098.54 4247.46,5098.54 U1.CN10_26
B: R3.1 U1.CN7_34 | length 625.8
  Top Layer w10: U1.CN7_34 4861.58,2724.42 5049.99,2724.42 5236.49,2910.92 R3.1
G: R2.1 U1.CN7_36 | length 600.6
  Top Layer w10: U1.CN7_36 4941.58,2704.42 5104.79,2704.42 5311.29,2910.92 R2.1
GND: B1.2 B2.2 C2_TS1.2 C2_TS2.2 C2_TS3.2 C2_TS4.2 IC1_TS1.1 IC1_TS1.3 IC1_TS1.5 IC1_TS1.10 IC1_TS1.13 IC1_TS1.17 IC1_TS1.18 IC1_TS1.21 IC1_TS2.1 IC1_TS2.3 IC1_TS2.5 IC1_TS2.10 IC1_TS2.13 IC1_TS2.17 IC1_TS2.18 IC1_TS2.21 IC1_TS3.1 IC1_TS3.3 IC1_TS3.5 IC1_TS3.10 IC1_TS3.13 IC1_TS3.17 IC1_TS3.18 IC1_TS3.21 IC1_TS4.1 IC1_TS4.3 IC1_TS4.5 IC1_TS4.10 IC1_TS4.13 IC1_TS4.17 IC1_TS4.18 IC1_TS4.21 J4.1 J5.1 R10_TS1.1 R10_TS2.1 R10_TS3.1 R10_TS4.1 R14_TS1.1 R14_TS2.1 R14_TS3.1 R14_TS4.1 R15.1 R18.2 RA1_TS1.1 RA1_TS2.1 RA1_TS3.1 RA1_TS4.1 U1.CN5_7 U1.CN6_6 U1.CN6_7 U1.CN7_8 U1.CN7_19 U1.CN7_20 U1.CN7_22 U1.CN10_9 U1.CN10_20 U1.CN10_32 | length 1955.8
  Top Layer w8: v1(2111.64,5311.97) IC1_TS1.10 ; IC1_TS1.5 2156.92,5455.19 2183.84,5428.27 IC1_TS1.21@2235.03,5428.27 ; IC1_TS1.13 IC1_TS1.21 ; IC1_TS1.3 2208.1,5455.19 IC1_TS1.21@2235.03,5428.27 ; v1(2245.81,5358.23) 2255.24,5367.66 IC1_TS1.17 IC1_TS1.18 ; IC1_TS1.1 2259.28,5441.73 v1(2245.81,5428.27) IC1_TS1.21@2235.03,5428.27 ; v1(2594.71,5311.97) IC1_TS2.10 ; IC1_TS2.5 2639.99,5455.19 2666.92,5428.27 IC1_TS2.21@2718.1,5428.27 ; IC1_TS2.13 IC1_TS2.21 ; IC1_TS2.3 2691.17,5455.19 IC1_TS2.21@2718.1,5428.27 ; v1(2728.88,5358.23) 2738.31,5367.66 IC1_TS2.17 IC1_TS2.18 ; IC1_TS2.1 2742.35,5441.73 v1(2728.88,5428.27) IC1_TS2.21@2718.1,5428.27 ; v1(3086.64,5311.97) IC1_TS3.10 ; IC1_TS3.5 3131.92,5455.19 3158.84,5428.27 IC1_TS3.21@3210.03,5428.27 ; IC1_TS3.13 IC1_TS3.21 ; IC1_TS3.3 3183.1,5455.19 IC1_TS3.21@3210.03,5428.27 ; v1(3220.81,5358.23) 3230.24,5367.66 IC1_TS3.17 IC1_TS3.18 ; IC1_TS3.1 3234.28,5441.73 v1(3220.81,5428.27) IC1_TS3.21@3210.03,5428.27 ; v1(3569.71,5311.97) IC1_TS4.10 ; IC1_TS4.5 3614.99,5455.19 3641.91,5428.27 IC1_TS4.21@3693.1,5428.27 ; IC1_TS4.13 IC1_TS4.21 ; IC1_TS4.3 3666.17,5455.19 IC1_TS4.21@3693.1,5428.27 ; v1(3703.88,5358.23) 3713.31,5367.66 IC1_TS4.17 IC1_TS4.18 ; IC1_TS4.1 3717.35,5441.73 v1(3703.88,5428.27) IC1_TS4.21@3693.1,5428.27
  other v1: 2326.33,5278.72 2809.4,5278.72 3301.33,5278.72 3784.4,5278.72
  other v2: 3281.74,3144.58 4074.57,3144.58 2586.46,3279.23 2766.78,3459.54 3596.7,3459.54 4389.53,3459.54 2271.5,3594.19 2451.82,3774.5 3281.74,3774.5 3911.66,3774.5 4704.49,3774.5 1956.54,3909.15 2136.86,4089.46 2766.78,4089.46 3596.7,4089.46 4226.62,4089.46 1821.89,4404.42 2451.82,4404.42 3281.74,4404.42 3911.66,4404.42 4541.58,4404.42 5334.41,4404.42 4341.58,4804.42
  other v3: 4691.58,4804.42 4891.58,4804.42 3037.91,5004.42 1991.5,5225.02 2437.26,5397.63 2920.33,5397.63 3412.25,5397.63 3895.33,5397.63 2035.35,5506.95 3010.35,5513.16 2520.47,5516.28 2363.32,5559.04 2846.39,5559.04 3338.32,5559.04 3821.39,5559.04
NetD1_1: D1.1 R1.2 | length 134.3
  Top Layer w10: D1.1 5370.34,3082.3 5390.03,3062.62 R1.2
NetD1_2: D1.2 R2.2 | length 82.4
  Top Layer w10: R2.2 5319.16,2979.82 5346.72,3007.37 D1.2
NetD1_3: D1.3 R3.2 | length 87.3
  Top Layer w10: R3.2 5244.36,2979.82 5283.73,3019.19 D1.3
PR_CTRL_0: B1.1 R15.2 U1.CN10_35 | length 895.5
  Top Layer w10: B1.1 4438.71,5487.28 4438.71,5429.94 R15.2 4440.18,5424.52 4475.82,5388.89 4650.37,5388.89 4891.58,5147.67 4891.58,4954.42 U1.CN10_35
PR_CTRL_1: B2.1 R18.1 U1.CN10_37 | length 751.8
  Top Layer w10: B2.1 4638.71,5487.28 4638.71,5426 4991.58,5073.13 4991.58,4954.42 U1.CN10_37
R: R1.1 U1.CN7_38 | length 575.4
  Top Layer w10: U1.CN7_38 5021.58,2684.42 5159.6,2684.42 5386.09,2910.92 R1.1
SCL2: J5.4 R5.2 U1.CN10_25 | length 1830.2
  Top Layer w8: v1(4146.15,5637.96) 4135.15,5648.96 4135.15,5905.78 J5.4@4174.63,5945.26 ; U1.CN10_25 ccw(c4390.01,4904.42) 4390.01,4856 4456,4856 ccw(c4456,4891.58) 4491.58,4891.58 v3(4491.58,4954.42)
  Bottom Layer w8: v1(4146.15,5637.96) 4114.15,5605.96 4114.15,5547.81 4529.58,5132.37 4529.58,5090.85 4491.58,5052.85 v3(4491.58,4954.42) ; R5.2 4174.63,5806.47 4174.63,5945.26 J5.4@4174.63,6145.26
SCL_1: IC1_TS1.19 IC1_TS2.19 R9.2 U1.CN10_3 | length 1930.7
  Top Layer w8: IC1_TS1.19 2342.4,5418.84 2353.29,5407.95 2353.29,5248.95 2378.68,5223.55 2426.26,5223.55 v1(2437.26,5212.55) ; IC1_TS2.19 2825.47,5418.84 2836.36,5407.95 2836.36,5248.95 2861.75,5223.55 2909.33,5223.55 v1(2920.33,5212.55)
  Bottom Layer w8: v1(2437.26,5212.55) 2448.26,5223.55 2909.33,5223.55 v1(2920.33,5212.55) 2931.33,5223.55 3238.4,5223.55 3329.58,5132.37 3329.58,5090.85 3291.58,5052.85 3291.58,4954.42 U1.CN10_3 R9.2
SCL_3: IC1_TS3.19 IC1_TS4.19 R7.2 U1.CN10_23 | length 1955.7
  Top Layer w8: IC1_TS3.19 3317.4,5418.84 3328.29,5407.95 3328.29,5248.95 3353.68,5223.55 3401.25,5223.55 v1(3412.25,5212.55) ; IC1_TS4.19 3800.47,5418.84 3811.36,5407.95 3811.36,5248.95 3836.75,5223.55 3884.33,5223.55 v1(3895.33,5212.55)
  Bottom Layer w8: v1(3412.25,5212.55) 3423.25,5223.55 3884.33,5223.55 v1(3895.33,5212.55) 3906.33,5223.55 4238.4,5223.55 4329.58,5132.37 4329.58,5090.85 4291.58,5052.85 4291.58,4954.42 U1.CN10_23 R7.2
SDA2: J5.3 R4.2 U1.CN10_31 | length 1649.2
  Top Layer w8: J5.3@4074.63,5945.26 4114.15,5905.75 4114.15,5626.96 v1(4146.15,5594.96)
  Bottom Layer w8: J5.3@4074.63,6145.26 4074.63,5945.26 4074.63,5806.5 R4.2 ; v1(4146.15,5594.96) 4135.15,5583.96 4135.15,5556.51 4553.58,5138.07 4553.58,5090.85 4591.58,5052.85 4591.58,4954.42 ccw(c4641.58,4954.42) U1.CN10_31
SDA_1: IC1_TS1.20 IC1_TS2.20 R8.2 U1.CN10_5 | length 1965.8
  Top Layer w8: IC1_TS1.20 2342.4,5444.43 2371.38,5415.45 2371.38,5260.55 2387.38,5244.55 2426.26,5244.55 v1(2437.26,5255.55) ; IC1_TS2.20 2825.47,5444.43 2854.45,5415.45 2854.45,5260.55 2870.45,5244.55 2909.33,5244.55 v1(2920.33,5255.55)
  Bottom Layer w8: v1(2437.26,5255.55) 2448.26,5244.55 2909.33,5244.55 v1(2920.33,5255.55) 2931.33,5244.55 3247.1,5244.55 3353.58,5138.07 3353.58,5090.85 3391.58,5052.85 3391.58,4954.42 U1.CN10_5 R8.2
SDA_3: IC1_TS3.20 IC1_TS4.20 R6.2 U1.CN10_27 | length 1990.8
  Top Layer w8: IC1_TS3.20 3317.4,5444.43 3346.38,5415.45 3346.38,5260.55 3362.38,5244.55 3401.25,5244.55 v1(3412.25,5255.55) ; IC1_TS4.20 3800.47,5444.43 3829.45,5415.45 3829.45,5260.55 3845.45,5244.55 3884.33,5244.55 v1(3895.33,5255.55)
  Bottom Layer w8: v1(3412.25,5255.55) 3423.25,5244.55 3884.33,5244.55 v1(3895.33,5255.55) 3906.33,5244.55 4247.1,5244.55 4353.58,5138.07 4353.58,5090.85 4391.58,5052.85 4391.58,4954.42 U1.CN10_27 R6.2
pads on no net: U1. U1.CN5_1 U1.CN5_2 U1.CN5_3 U1.CN5_4 U1.CN5_5 U1.CN5_6 U1.CN5_8 U1.CN5_9 U1.CN5_10 U1.CN6_1 U1.CN6_2 U1.CN6_3 U1.CN6_5 U1.CN6_8 U1.CN7_1 U1.CN7_2@2041.58,2504.42 U1.CN7_2@2041.58,5004.42 U1.CN7_2@2141.58,2504.42 U1.CN7_2@2141.58,5004.42 U1.CN7_5 U1.CN7_7 U1.CN7_9 U1.CN7_10 U1.CN7_11 U1.CN7_12 U1.CN7_13 U1.CN7_14 U1.CN7_15 U1.CN7_17 U1.CN7_18 U1.CN7_21 U1.CN7_23 U1.CN7_24 U1.CN7_25 U1.CN7_26 U1.CN7_27 U1.CN7_28 U1.CN7_29 U1.CN7_30 U1.CN7_31 U1.CN7_32 U1.CN7_33 U1.CN7_35 U1.CN7_37 U1.CN8_1 U1.CN8_2 U1.CN8_3 U1.CN8_4 U1.CN8_5 U1.CN8_6 U1.CN9_1 U1.CN9_2 U1.CN9_3 U1.CN9_4 U1.CN9_5 U1.CN9_6 U1.CN9_7 U1.CN9_8 U1.CN10_7 U1.CN10_8 U1.CN10_10 U1.CN10_18 U1.CN10_36 U1.CN10_38

## Polygon pours and split planes (outlines as drawn)
GND on Bottom Layer "NONET_L-01_P-001" (solid, remove dead copper, pour order 1): 1565.62,2470.12 1565.62,6151.13 cw(c1693.62,6151.13) 1693.62,6279.13 5374.63,6279.13 cw(c5374.63,6151.13) 5502.63,6151.13 5502.63,2470.12 cw(c5374.63,2470.12) 5374.63,2342.12 1693.62,2342.12 cw(c1693.62,2470.12)
GND on Top Layer "NONET_L-01_P-001" (solid, remove dead copper, pour order 0): 1565.62,2470.12 1565.62,6151.13 cw(c1693.62,6151.13) 1693.62,6279.13 5374.63,6279.13 cw(c5374.63,6151.13) 5502.63,6151.13 5502.63,2470.12 cw(c5374.63,2470.12) 5374.63,2342.12 1693.62,2342.12 cw(c1693.62,2470.12)

## Silkscreen, mask and mechanical layers (free items; w line width, h text height)
Top Overlay:
  drawing of 6 lines, arcs and shapes, not listed
  text "Top / Thermocouples" at 2123,5814.56 h72 r90
  text "Bottom / Thermocouples" at 3098,5814.56 h72 r90
  text "I2C Display" at 3698,5814.56 h72 r90
  text "Power Relay" at 4298,5814.56 h72 r90
  text "Power In" at 4898,5814.56 h72 r90
  text "-PR0" at 4424.95,5778.41 h32
  text "+PR0" at 4524.02,5778.41 h32
  text "-PR1" at 4624.86,5778.41 h32
  text "+PR1" at 4723.93,5778.41 h32
  text "-T" at 2258.3,5774.12 h48
  text "+T" at 2356.9,5774.12 h48
  text "-T" at 2458.3,5774.12 h48
  text "+T" at 2556.9,5774.12 h48
  text "-T" at 3233.3,5774.12 h48
  text "+T" at 3331.9,5774.12 h48
  text "-T" at 3433.3,5774.12 h48
  text "+T" at 3531.9,5774.12 h48
  text "GND" at 3820.49,5774.12 h48
  text "3V3" at 3920.49,5774.12 h48
  text "SDA" at 4019.91,5774.12 h48
  text "SCL" at 4120.86,5774.12 h48
  text "GND" at 5020.49,5774.12 h48
  text "5V" at 5131.21,5774.34 h48
  text "0.5A / PTC" at 5142.64,5484.35 h16
  text "Heat Press V1.0" at 1730.44,2632.87 h128 r90
  text "IR 2024" at 1802.88,2632.87 h64 r90
Bottom Overlay:
  text "Set Add / RA & RB" at 2309.09,5219.08 h24
  text "Set Add / RA & RB" at 2792.16,5219.08 h24
  text "Set Add / RA & RB" at 3284.09,5219.08 h24
  text "Set Add / RA & RB" at 3767.16,5219.08 h24
  text "Copyright © 2024 / Licenced under CERN-OHL-S v2" at 2991.58,2456 h64
Mechanical 7:
  the board outline again, w8